# Altium PCB CarrierMotherboard.PcbDoc (part 2 of 6)
Units mm, origin at the board's own origin, x right, y up, seen from the top; angles counter-clockwise.
Board outline 152.4 x 101.6 mm, 8 copper layers (L1-CU, GND, L3-CU-PWR, L4-CU, L5-CU-GND, L6-CU, L7-CU-GND, L8-CU), stack 1.524 mm thick; 270 components, 270 nets, 1285 pads, 799 vias.
Unrouted connection lines stored in the file: 236.
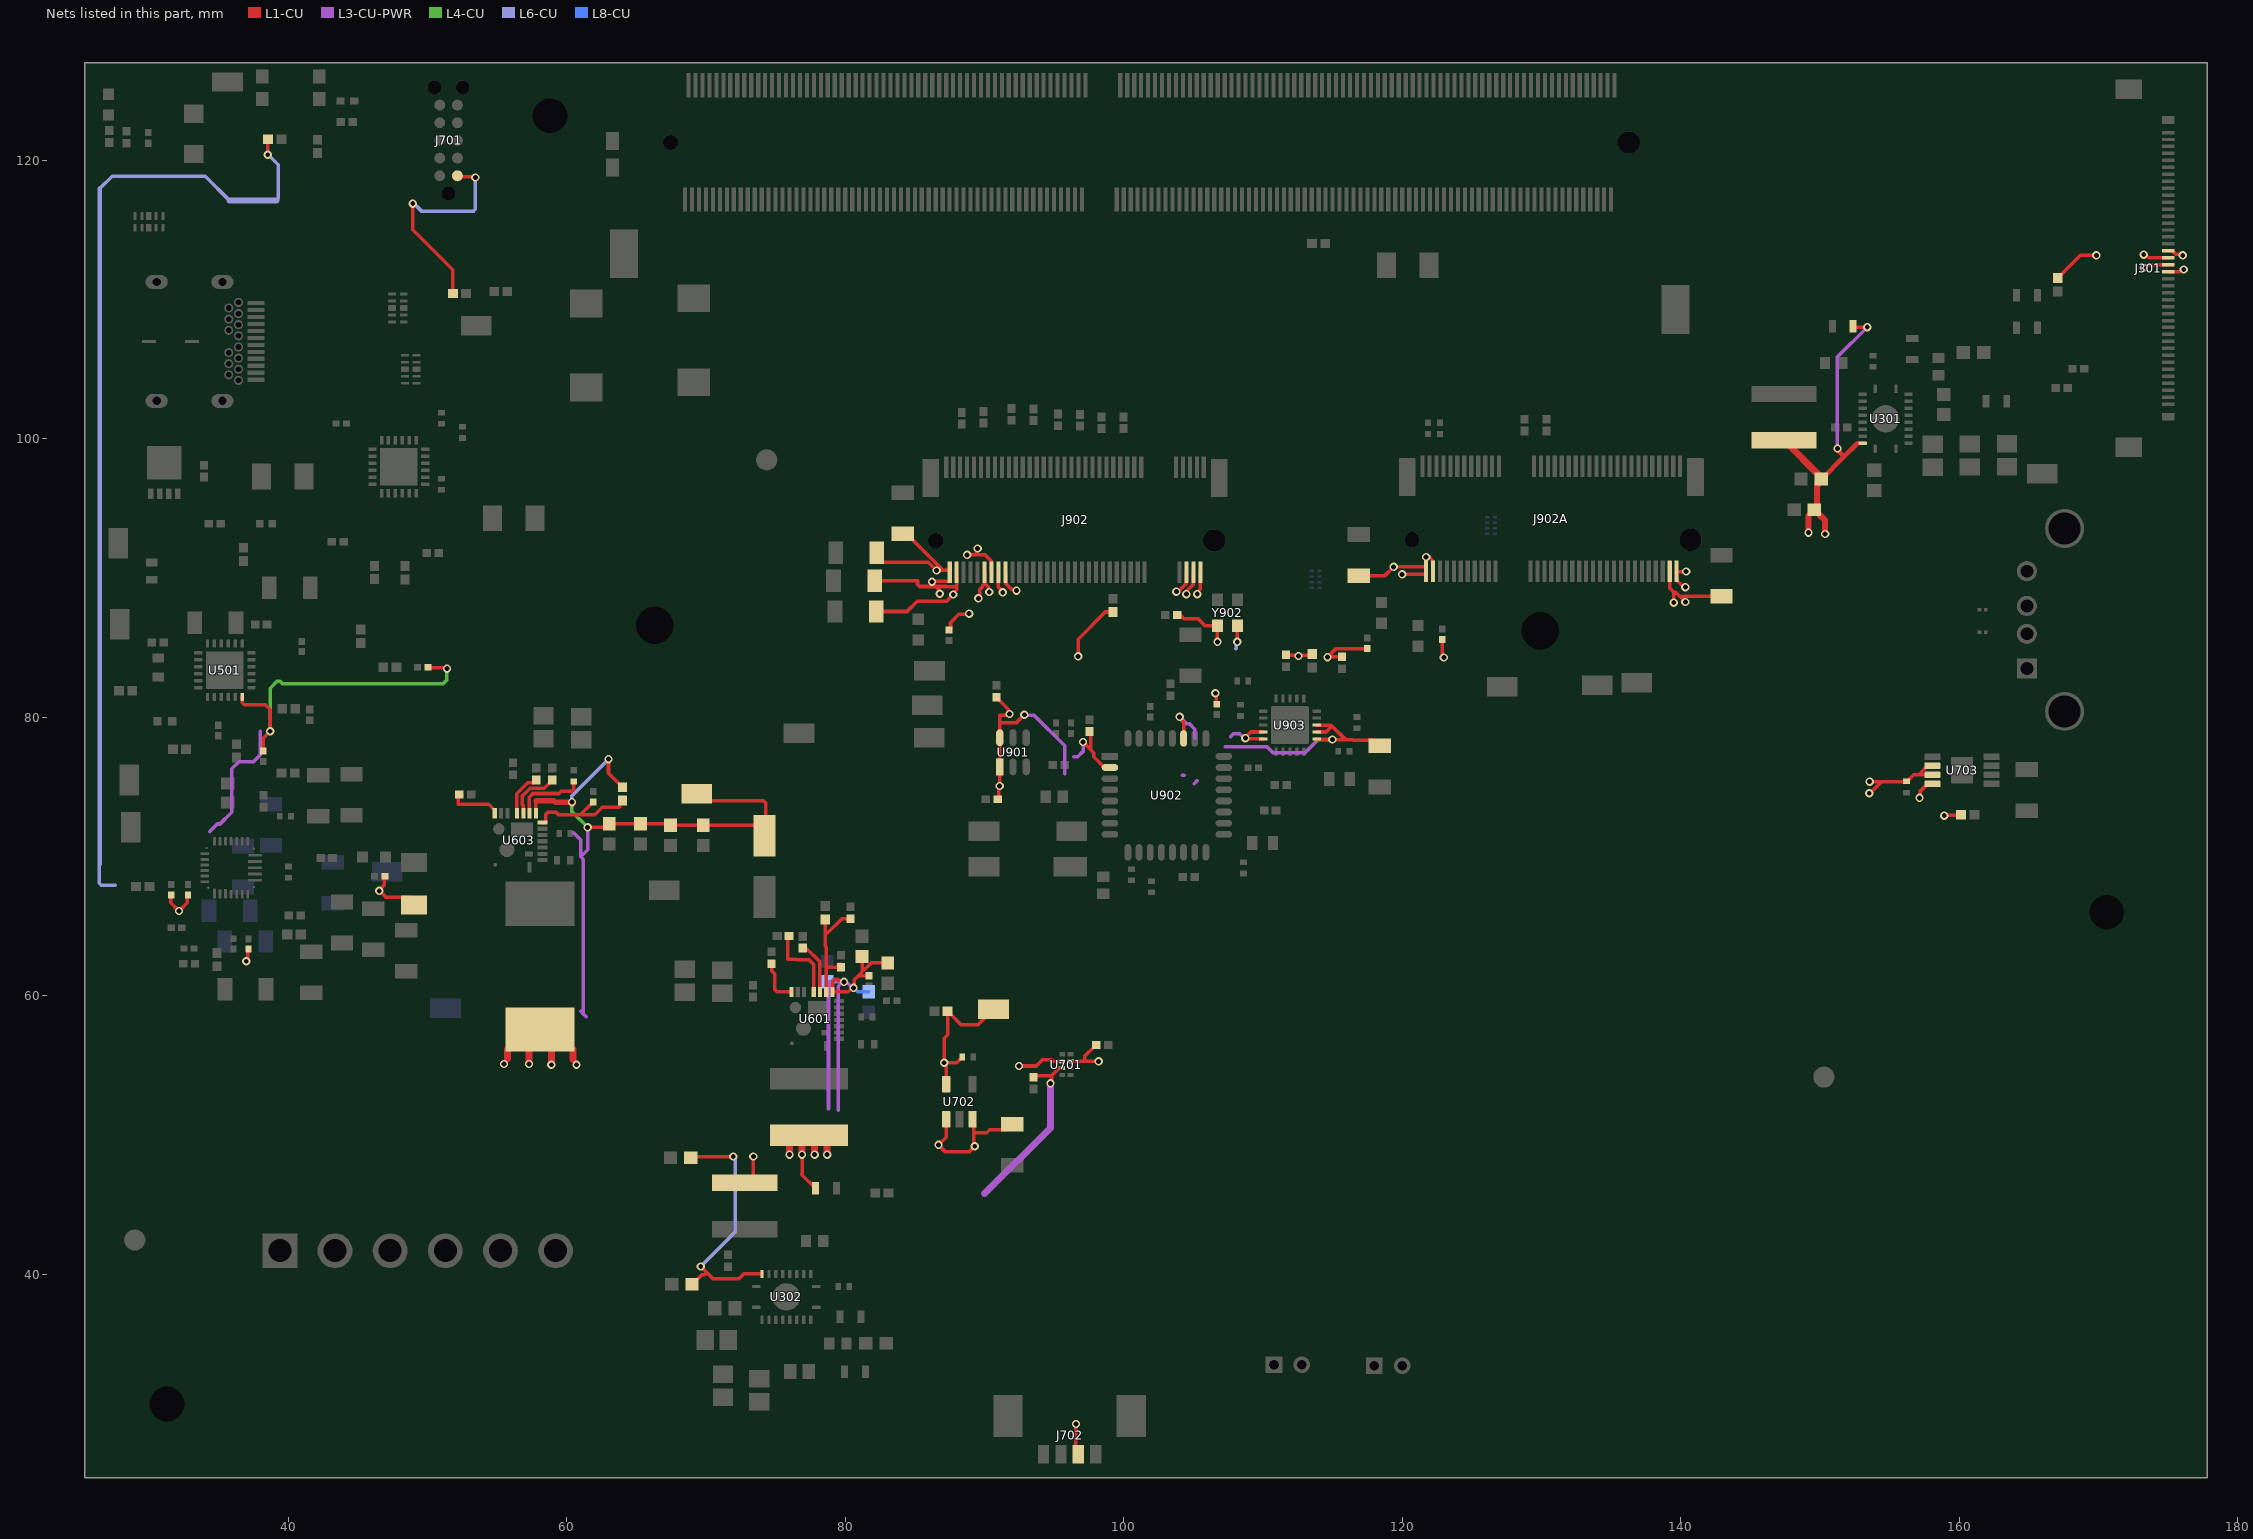
[diagram p8: the nets of this part, all layers, seen from the top]

## Footprints (in the part's own frame and the unit in brackets; to place one, negate y for a bottom-side part, rotate by r counter-clockwise, add the part's x,y. Pads: shape width x height; smd on the part's side, far side on the other; paste and mask are expansions set on the pad) (continued)
PSON50P100X195X50-8N [mm]
  rect 0.43x0.31 smd mask+0.1: 1(-0.29,0.75)
  rect 0.42x0.31 smd mask+0.1: 2(-0.295,0.25) 3(-0.295,-0.25) 4(-0.295,-0.75) 5(0.295,-0.75) 6(0.295,-0.25) 7(0.295,0.25) 8(0.295,0.75)
  silkscreen extent -1.1,0.65 0.53,1.22, body extent -0.5,-0.97 0.5,0.97, height 0.5
RESC1005X40X25LL05T05 [mm] "Chip Resistor, 2-Leads, Body 1.05x0.55mm, IPC High Density"
  rect 0.45x0.45 smd mask+0.1: 1(-0.4,0) 2(0.4,0)
  body extent -0.53,-0.28 0.53,0.28, height 0.4
RESC1005X40X25LL05T10#1 [mm] "Chip Resistor, 2-Leads, Body 1.00x0.50mm, IPC High Density"
  rect 0.5x0.45 smd mask+0.075: 1(-0.375,0) 2(0.375,0)
  body extent -0.53,-0.27 0.53,0.28, height 0.4
RESC1005X40X25LL05T10#2 [mm] "Chip Resistor, 2-Leads, Body 1.00x0.50mm, IPC High Density"
  rect 0.5x0.45 smd mask+0.055: 1(-0.375,0) 2(0.375,0)
  body extent -0.53,-0.27 0.53,0.28, height 0.4
RESC1005X40X25LL05T10#3 [mm] "Chip Resistor, 2-Leads, Body 1.00x0.50mm, IPC High Density"
  rect 0.5x0.45 smd mask+0.065: 1(-0.375,0) 2(0.375,0)
  body extent -0.53,-0.27 0.53,0.28, height 0.4
RESC1005X40X25LL10T10 [mm] "Chip Resistor, 2-Leads, Body 1.00x0.50mm, IPC High Density"
  rect 0.55x0.5 smd mask+0.1: 1(-0.375,0) 2(0.375,0)
  body extent -0.55,-0.3 0.55,0.3, height 0.4
RESC1005X40X25ML05T10#1 [mm] "Chip Resistor, 2-Leads, Body 1.00x0.50mm, IPC Low Density"
  rect 0.7x0.65 smd mask+0.075: 1(-0.475,0) 2(0.475,0)
  body extent -0.53,-0.27 0.53,0.28, height 0.4
RESC1005X40X25ML05T10#2 [mm] "Chip Resistor, 2-Leads, Body 1.00x0.50mm, IPC Low Density"
  rect 0.7x0.65 smd mask+0.055: 1(-0.475,0) 2(0.475,0)
  body extent -0.53,-0.27 0.53,0.28, height 0.4
RESC1005X40X25ML05T10#3 [mm] "Chip Resistor, 2-Leads, Body 1.00x0.50mm, IPC Low Density"
  rect 0.7x0.65 smd mask+0.065: 1(-0.475,0) 2(0.475,0)
  body extent -0.53,-0.27 0.53,0.28, height 0.4
RESC1005X40X25NL05T05 [mm] "Chip Resistor, 2-Leads, Body 1.00x0.50mm, IPC Medium Density"
  rect 0.55x0.55 smd mask+0.1: 1(-0.45,0) 2(0.45,0)
  body extent -0.53,-0.27 0.53,0.28, height 0.4
RESC1005X40X25NL05T10#1 [mm] "Chip Resistor, 2-Leads, Body 1.00x0.50mm, IPC Medium Density"
  rect 0.6x0.55 smd mask+0.055: 1(-0.425,0) 2(0.425,0)
  body extent -0.53,-0.27 0.53,0.28, height 0.4
RESC1005X40X25NL05T10#2 [mm] "Chip Resistor, 2-Leads, Body 1.00x0.50mm, IPC Medium Density"
  rect 0.6x0.55 smd mask+0.075: 1(-0.425,0) 2(0.425,0)
  body extent -0.53,-0.27 0.53,0.28, height 0.4
RESC1005X40X25NL05T10#3 [mm] "Chip Resistor, 2-Leads, Body 1.00x0.50mm, IPC Medium Density"
  rect 0.6x0.55 smd mask+0.065: 1(-0.425,0) 2(0.425,0)
  body extent -0.53,-0.27 0.53,0.28, height 0.4
RESC1005X40X25NL10T10 [mm] "Chip Resistor, 2-Leads, Body 1.00x0.50mm, IPC Medium Density"
  rect 0.65x0.6 smd mask+0.1: 1(-0.425,0) 2(0.425,0)
  body extent -0.55,-0.3 0.55,0.3, height 0.4
RESC1609X50X30ML10T20 [mm] "Chip Resistor, 2-Leads, Body 1.55x0.85mm, IPC Low Density"
  rect 0.9x1.05 smd: 1(-0.675,0) 2(0.675,0)
  body extent -0.82,-0.48 0.82,0.48, height 0.5
RESC3216X60X45ML15T20 [mm] "Chip Resistor, 2-Leads, Body 3.3x1.75mm, IPC Low Density"
  rect 1.35x1.85 smd mask+0.1: 1(-1.525,0) 2(1.525,0)
  silkscreen extent -0.45,-0.82 0.45,0.82, body extent -1.65,-0.87 1.65,0.87, height 0.6
RTJ0020D_V [mm] "QFN, 20-Leads, Body 4x4mm, Pitch 0.5mm, Thermal Pad 2.7x2.7mm, TI Recommended"
  rrect42% 0.6x0.24 smd mask+0.075: 1(-1.925,1) 2(-1.925,0.5) 3(-1.925,0) 4(-1.925,-0.5) 5(-1.925,-1) 11(1.925,-1) 12(1.925,-0.5) 13(1.925,0) 14(1.925,0.5) 15(1.925,1)
  rrect42% 0.24x0.6 smd mask+0.075: 6(-1,-1.925) 7(-0.5,-1.925) 8(0,-1.925) 9(0.5,-1.925) 10(1,-1.925) 16(1,1.9) 17(0.5,1.9) 18(0,1.9) 19(-0.5,1.9) 20(-1,1.9)
  rrect4% 2.7x2.7 smd paste-1.4 mask+0.075: 21(0,0)
  silkscreen extent -2.2,1.52 2.17,2.18, body extent -2.07,-2.07 2.08,2.08, height 0.8
SOT95P280X145-5N [mm]
  rrect25% 1.21x0.59 smd mask+0.1: 1(-1.255,0.95) 2(-1.255,0) 3(-1.255,-0.95) 4(1.255,-0.95) 5(1.255,0.95)
  silkscreen extent -2.6,-1.45 0.33,1.45, body extent -1.4,-1.45 1.4,1.45, height 1.45
SW_KMR211NGLFS [mm]
  rect 0.9x1 smd mask+0.1: 1(-2.05,0.8) 2(2.05,0.8) 3(-2.05,-0.8) 4(2.05,-0.8)
  silkscreen extent -1.25,-1.4 1.25,1.4, body extent -2.3,-1.4 2.3,1.4, height 1.9
TAG-CONNECT_TC2050-IDC-NL [mm]
  round 0.787 smd paste-1 mask+0.1: 1(0,0) 2(0,-1.27) 3(0,-2.54) 4(0,-3.81) 5(0,-5.08) 6(1.27,-5.08) 7(1.27,-3.81) 8(1.27,-2.54) 9(1.27,-1.27) 10(1.27,0)
  round 0.991 hole 0.991 unplated mask+0.1: ""(-0.38,-6.35) ""(0.635,1.27) ""(1.65,-6.35)
  Keep-Out Layer region: 1.27,-5.08 0,-5.08 0,0 1.27,0
  Keep-Out Layer region: 1.27,-5.08 0,-5.08 0,0 1.27,0
  silkscreen extent -3.46,-7.89 4,3.68, body extent -9.53,-7.62 6.22,7.62, height 198.41
TE-292303-1_V [mm] "THD, 4-Leads, Body 13.13x14mm, Pitch 2.5mm"
  rect 1.45x1.45 hole 0.92 mask+0.1: 1(-3.5,1.144)
  round 1.45 hole 0.92 mask+0.1: 2(-1,1.144) 3(1,1.144) 4(3.5,1.144)
  round 2.8 hole 2.3 mask+0.1: 5(-6.57,-1.566) 6(6.57,-1.566)
  silkscreen extent -6.57,-11.55 6.57,3.25, body extent -8.12,-11.85 8.12,2.15, height 7.72
TE_21992304 [mm]
  rrect15% 0.3x1.55 smd mask+0.1: 1(-9.25,5.275) 2(-9,-2.275) 3(-8.75,5.275) 4(-8.5,-2.275) 5(-8.25,5.275) 6(-8,-2.275) 7(-7.75,5.275) 8(-7.5,-2.275) 9(-7.25,5.275) 10(-7,-2.275) 11(-6.75,5.275) 12(-6.5,-2.275) 13(-6.25,5.275) 14(-6,-2.275) 15(-5.75,5.275) 16(-5.5,-2.275) 17(-5.25,5.275) 18(-5,-2.275) 19(-4.75,5.275) 20(-4.5,-2.275) 21(-4.25,5.275) 22(-4,-2.275) 23(-3.75,5.275) 32(-1.5,-2.275) 33(-1.25,5.275) 34(-1,-2.275) 35(-0.75,5.275) 36(-0.5,-2.275) 37(-0.25,5.275) 38(0,-2.275) 39(0.25,5.275) 40(0.5,-2.275) 41(0.75,5.275) 42(1,-2.275) 43(1.25,5.275) 44(1.5,-2.275) 45(1.75,5.275) 46(2,-2.275) 47(2.25,5.275) 48(2.5,-2.275) 49(2.75,5.275) 50(3,-2.275) 51(3.25,5.275) 52(3.5,-2.275) 53(3.75,5.275) 54(4,-2.275) 55(4.25,5.275) 56(4.5,-2.275) 57(4.75,5.275) 58(5,-2.275) 59(5.25,5.275) 60(5.5,-2.275) 61(5.75,5.275) 62(6,-2.275) 63(6.25,5.275) 64(6.5,-2.275) 65(6.75,5.275) 66(7,-2.275) 67(7.25,5.275) 68(7.5,-2.275) 69(7.75,5.275) 70(8,-2.275) 71(8.25,5.275) 72(8.5,-2.275) 73(8.75,5.275) 74(9,-2.275) 75(9.25,5.275)
  rrect15% 1.2x2.75 smd mask+0.1: S1(-10.35,4.5) S2(10.35,4.5)
  round 1.1 hole 1.1 unplated mask+0.1: ""(-10,0)
  round 1.6 hole 1.6 unplated mask+0.1: ""(10,0)
  silkscreen extent -10.95,-2.5 10.95,7.15, body extent -10.95,-4.85 10.95,3.85, height 4.2
TRANS_STL6P3LLH6 [mm]
  rect 0.75x0.4 smd mask+0.075: 1(-1.525,0.975) 2(-1.525,0.325) 3(-1.525,-0.325) 4(-1.525,-0.975)
  rect 2.4x2.45 smd paste-2 mask+0: 5_8(0.7,0)
  L1-CU region: 0.2,1.225 1.9,1.225 1.9,-1.225 0.2,-1.225 0.2,-1.755 -0.2,-1.755 -0.2,-1.225 -0.5,-1.225 -0.5,1.225 -0.2,1.225 -0.2,1.755 0.2,1.755
  silkscreen extent -2.6,-1.58 1.5,1.58, body extent -1.65,-1.65 1.65,1.65, height 0.9

## Part data
C1 C2: library part CMP-03016-000026-1, "CAP TANT POLY 100UF 25V 2917", Case Code (Imperial)=2917, Case Code (Metric)=7343, ESR (Equivalent Series Resistance)=40mR, Max Operating Temperature=105°C, Min Operating Temperature=-55°C, Tolerance=20%, Voltage Rating=25V, Capacitance=100uF, Case/Package=2917, Features="General Purpose", Height - Seated (Max)=0.122inch, Length=0.287inch, Mount="Surface Mount", Packaging="Cut Tape", REACH SVHC="No SVHC", Series="KO-CAP® T521", Voltage Rating (DC)=25V, Width=0.169inch
C101 C404 C603 C604 C607 C610 C623 C706 C707: library part CMP-2008-04639-2, "Chip Multilayer Ceramic Capacitors for General Purpose, 0402, 0.10uF, X7R, 15%, 10%, 50V", Case Code (Imperial)=0402, Case Code (Metric)=1005, Dielectric=X7R, Dielectric Material=Ceramic, Max Operating Temperature=125°C, Min Operating Temperature=-55°C, Package Quantity=10000, Tolerance=10%, Voltage=50V, Capacitance=100nF, Case/Package=0402, Depth=0.5mm, Dissipation Factor=0.025%, Height=0.5mm, Lead Free="Lead Free", Length=1mm, Material=Ceramic, Mount="Surface Mount", Packaging="Tape and Reel", REACH SVHC="No SVHC", Resistor Type=Ceramic, Termination=SMD/SMT, Thickness=0.022inch, Voltage Rating=50V, Voltage Rating (DC)=50V, Weight=0.000212oz, Width=0.5mm
C102 C103 C106 C107 C108 C109 C110 C111 C112 C113: library part CMP-08246-005722-1, "Multilayer Ceramic Capacitors 220nF ±10% 16V X7R SMD 0402", Capacitance=220nF, Case Code (Imperial)=0402, Case Code (Metric)=1005, Dielectric=X7R, Dielectric Material=Ceramic, Max Operating Temperature=125°C, Min Operating Temperature=-55°C, Package Quantity=1, Tolerance=10%, Voltage=16V, Case/Package=0402, Construction=Flat, Depth=0.5mm, Dissipation Factor=10%, Height=0.5mm, Lead Free="Lead Free", Length=1mm, Mount="Surface Mount", Packaging="Tape and Reel", Radiation Hardening=No, REACH SVHC="No SVHC", Resistor Type=Ceramic, RoHS Compliant=Yes, Series=C, Termination=SMD/SMT, Thickness=0.022inch, Voltage Rating=16V, Voltage Rating (DC)=16V, Weight=2.3E-05oz, Width=0.02inch
C104 C105 C114 C115 C116 C117 C501 C505 C507 C509 C516 C517 C518 C519 C520 C521 C522 C523 C524 C525 C708 C711 C901 C920: library part CMP-06035-005515-1, "Chip Multilayer Ceramic Capacitors for General Purpose, 1206, 10uF, X7R, 15%, 10%, 25V", Capacitance=10uF, Case/Package=1206, Dielectric=X7R, Max Operating Temperature=125°C, Min Operating Temperature=-55°C, Tolerance=10%, Voltage=25V, Lead Free="Lead Free", Length=0.126inch, Mount="Surface Mount", Packaging="Tape and Reel", Thickness=0.071inch, Voltage Rating=25V, Voltage Rating (DC)=25V, Width=0.063inch
C301 C302 C311 C616 C618 C619 C621 C626 C628 C630 C632: library part CMP-13271-002755-1, "Cap Ceramic 22uF 16V X5R ±20% Pad SMD 0603 +85°C T/R", Capacitance=22uF, Case Code (Imperial)=0603, Case Code (Metric)=1608, Max Operating Temperature=85°C, Min Operating Temperature=-55°C, Tolerance=20%, Voltage Rating=16V, Case/Package=0603, Mount="Surface Mount", Packaging="Tape and Reel"
C303 C312 C502 C503 C510 C514 C515 C703 C902 C903 C905 C906 C907 C908 C909 C910: library part CMP-06035-003750-1, "Chip Multilayer Ceramic Capacitors for General Purpose, 0402, 0.10uF, X7R, 15%, 10%, 50V", Capacitance=100nF, Case Code (Imperial)=0402, Case Code (Metric)=1005, Dielectric=X7R, Max Operating Temperature=125°C, Min Operating Temperature=-55°C, Package Quantity=50000, Resistor Type=Ceramic, Tolerance=10%, Voltage Rating=50V, Case/Package=0402, Height=0.5mm, Lead Free="Lead Free", Length=0.039inch, Mount="Surface Mount", Packaging="Tape and Reel", Termination=SMD/SMT, Thickness=0.022inch, Voltage Rating (DC)=50V, Weight=0.000212oz, Width=0.5mm
C304 C313 C401 C402 C403 C606 C611 C709 C710 C904 C911 C912 C918 C919: library part CMP-2008-04556-2, "CAP CER 1UF 10V X5R 0402", Capacitance=1uF, Manufacturer=Murata, Manufacturer Part Number=GRM155R61A105KE15D, Package=GRM15-0.1, Temperature="-55°C to +85°C", Temperature Characteristic=X5R, Temperature Coefficient=15%, Temperature Range High=+85°C, Temperature Range Low=-55°C, Tolerance=10%, Voltage Rating=10V, Automotive=No, Category=Cap, ComponentLink2Description=Datasheet, ComponentLink2URL=https://search.murata.co.jp/Ceramy/image/img/A01X/G101/ENG/GRM155R61A105KE15-01A.pdf, Device Class L1="Passive Components", Device Class L2=Capacitors, Device Class L3="Ceramic Capacitors", Digikey Description="CAP CER 1UF 10V X5R 0402", Height=0.55mm, Ipc Land Pattern Name=CAPC10050X50, Lead Free=Yes, Material=Ceramic, Mouser Description="0402 1 uF 10 V ±10% Tolerance X5R Surface Mount Multilayer Ceramic Capacitor", Octopart=https://octopart.com/grm155r61a105ke15d-murata-197442, RoHS=TRUE
C305 C314: library part CMP-2006-02910-1, Manufacturer=Murata, Part Number=GRM188R71H223KA01D
C306 C318: library part CMP-06035-027218-1, "Chip Multilayer Ceramic Capacitors for General Purpose, 0603, 3900pF, C0G, 30ppm/°C, 5%, 50V", Capacitance=3.9nF, Case Code (Imperial)=0603, Case Code (Metric)=1608, Dielectric=C0G, Max Operating Temperature=125°C, Min Operating Temperature=-55°C, Package Quantity=10000, Tolerance=5%, Voltage=50V, Case/Package=0603, Height=0.8mm, Length=0.063inch, Mount="Surface Mount", Packaging="Tape and Reel", Termination=SMD/SMT, Thickness=0.035inch, Voltage Rating=50V, Voltage Rating (DC)=50V, Weight=0.000222oz, Width=0.8mm
C307 C308 C309 C315 C316 C317 C601 C602 C608 C609: library part CMP-2007-03222-3, "Chip Multilayer Ceramic Capacitors for General Purpose, 0805, 22uF, X5R, 15%, 20%, 25V", Capacitance=22uF, Case Code (Imperial)=0805, Case Code (Metric)=2012, Dielectric=X5R, Max Operating Temperature=85°C, Min Operating Temperature=-55°C, Package Quantity=3000, Resistor Type=Ceramic, Tolerance=20%, Voltage=25V, Case/Package=0805, Depth=1.25mm, Height=1.25mm, Lead Free="Lead Free", Length=2mm, Material=Ceramic, Mount="Surface Mount", Packaging="Tape and Reel", REACH SVHC="No SVHC", Termination=SMD/SMT, Thickness=0.057inch, Voltage Rating=25V, Voltage Rating (DC)=25V, Weight=0.000335oz, Width=1.25mm
C310: library part CMP-00001-1, "Memory Card Connector, DDR4, SODIMM, Cam-In Locking, 260 Contacts, Copper Alloy", Capacitance=22uF, Case Code (Imperial)=0603, Case Code (Metric)=1608, Max Operating Temperature=85°C, Min Operating Temperature=-55°C, Tolerance=20%, Voltage Rating=16V, Case/Package=0603, Mount="Surface Mount", Packaging="Tape and Reel"
C405: library part CMP-06035-003982-1, "Chip Multilayer Ceramic Capacitors for General Purpose, 0402, 0.10uF, X5R, 15%, 10%, 50V", Capacitance=100nF, Case Code (Imperial)=0402, Case Code (Metric)=1005, Dielectric=X5R, Dielectric Material=Ceramic, Max Operating Temperature=85°C, Min Operating Temperature=-55°C, Package Quantity=10000, Tolerance=10%, Voltage=50V, Case/Package=0402, Depth=0.5mm, Dissipation Factor=0.025%, Height=0.5mm, Lead Free="Lead Free", Length=1mm, Mount="Surface Mount", Packaging="Tape and Reel", REACH SVHC="No SVHC", Resistor Type=Ceramic, Termination=SMD/SMT, Thickness=0.022inch, Voltage Rating=50V, Voltage Rating (DC)=50V, Weight=0.000212oz, Width=0.02inch
C406: library part CMP-06035-026280-1, "Chip Multilayer Ceramic Capacitors for General Purpose, 0402, 1.0uF, X5R, 15%, 10%, 25V", Capacitance=1uF, Dielectric=X5R, Tolerance=10%, Voltage Rating (DC)=25V, Length=1mm, Thickness=500um, Width=500um
C504: library part CMP-06035-003995-1, "Chip Multilayer Ceramic Capacitors for General Purpose, 0402, 0.10uF, X7R, 15%, 10%, 25V", Case Code (Imperial)=0402, Case Code (Metric)=1005, Dielectric=X7R, Max Operating Temperature=125°C, Min Operating Temperature=-55°C, Package Quantity=50000, Resistor Type=Ceramic, Tolerance=10%, Voltage Rating=25V, Capacitance=100nF, Case/Package=0402, Height=0.5mm, Length=0.039inch, Mount="Surface Mount", Packaging="Tape and Reel", Termination=SMD/SMT, Thickness=0.022inch, Voltage Rating (DC)=25V, Weight=0.000212oz, Width=0.5mm
C506: library part CMP-2008-04609-1, Manufacturer=Murata, Part Number=GRM155R71C472KA01D
C508: library part CMP-2006-02810-1, Manufacturer=Murata, Part Number=GRM188R61A475KE15D
C511 C512: library part CMP-06035-009452-1, "Chip Multilayer Ceramic Capacitors for General Purpose, 0402, 47000pF, X7R, 15%, 10%, 50V", Case Code (Imperial)=0402, Case Code (Metric)=1005, Dielectric=X7R, Max Operating Temperature=125°C, Min Operating Temperature=-55°C, Package Quantity=10000, Resistor Type=Ceramic, Tolerance=10%, Voltage Rating=50V, Capacitance=47nF, Case/Package=0402, Height=0.5mm, Length=0.039inch, Mount="Surface Mount", Packaging="Tape and Reel", Termination=SMD/SMT, Thickness=0.022inch, Voltage Rating (DC)=50V, Weight=0.000212oz, Width=0.02inch
C513: library part CMP-1662-00017-1, "Chip Capacitor, 1 nF, +/- 10%, 50 V, -55 to 125 degC, 0402 (1005 Metric), RoHS, Tape and Reel", Capacitance="1 nF", Case Code (Imperial)=0402, Case Code (Metric)=1005, Max Operating Temperature="125 degC", Min Operating Temperature="-55 degC", Package Quantity=10000, Tolerance=10%, Type (Capacitors)=X7R, Voltage Rating="50 V", Case\/Package=0402, ComponentLink1Description="Manufacturer URL", ComponentLink1URL=http://www.murata.com/, ComponentLink2Description=Datasheet, ComponentLink2URL=http://psearch.en.murata.com/capacitor/product/GRM155R71H102KA01%23.pdf, DatasheetVersion=07/2016, Height="0.5 mm", Length="1 mm", Mount="Surface Mount", Mounting Technology="Surface Mount", PackageDescription="2-Pin Surface Mount Device, Body 1 x 0.5 mm", PackageReference=0402, Packaging="Tape and Reel", Pins=2, Radiation Hardening=No, REACH SVHC="No SVHC", RoHSCompliant=true, Voltage Rating (DC)="50 V", Width="0.5 mm"
C605 C620: library part CMP-06035-063317-1, "Chip Multilayer Ceramic Capacitors for General Purpose 0402 Package 0.7mm 4.7uF @ 20% 25Vdc X5S @ 22%"
C633: library part CMP-05428-000099-1, "Conductive Polymer Aluminum Solid Capacitors (OS-CON) 100uF ±20% 6.3V", Capacitance=100uF, Case/Package=Radial, ESR (Equivalent Series Resistance)=30mR, Leakage Current=300uA, Max Operating Temperature=105°C, Min Operating Temperature=-55°C, Package Quantity=1500, Ripple Current=1.97A, Tolerance=20%, Voltage=6.3V, Construction=Cylindrical, Diameter=5mm, Dissipation Factor=12%, Height=5.9mm, Height - Seated (Max)=0.236inch, Lead Free="Lead Free", Length=5.9mm, Life (Hours)=2000Hour, Mount="Surface Mount", Number of Pins=6, Packaging="Tape and Reel", Polarity=Polar, REACH SVHC="No SVHC", Ripple Current (AC)=1.97A, RoHS Compliant=Yes, Series="OS-CON™, SVPC", Termination=SMD/SMT, Voltage Rating=6.3V, Voltage Rating (DC)=6.3V
D101 D102 D103: library part CMP-22017-000005-2, "LED GREEN CLEAR CHIP SMD", Case Code (Imperial)=0603, Case Code (Metric)=1608, Forward Current=30mA, Forward Voltage=2.1V, Lens Color=Colorless, Max Operating Temperature=85°C, Min Operating Temperature=-55°C, Package Quantity=1, Power Dissipation=100mW, Reverse Voltage=5V, Test Current=10mA, Voltage=2V, Case/Package=0603, Color=Green, Depth=0.8mm, Dominant Wavelength=569nm, Height=0.8mm, Illumination Color=Green, Lead Free="Lead Free", Length=1.6mm, Lens Style=Clear, Lens Transparency=Clear, Luminous Intensity=6mcd, Mount="Surface Mount", Number of Elements=1, Number of LEDs=1, Number of Pins=2, Packaging="Tape and Reel", Power Rating=100mW, Radiation Hardening=No, Viewing Angle=130°, Wavelength=565nm, Width=0.8mm
D401: library part CMP-12225-000030-1, "TVS DIODE 22V 41V 1610", Breakdown Voltage=23.3V, Clamping Voltage=39V, Manufacturer=STMicroelectronics, Max Junction Temp=+150°C, Package=QFN_1610, Peak Pulse Current=35A, Peak Pulse Power=1400W, Reverse Standoff Voltage=22V, Temperature="-55°C to +150°C", Temperature Range Low=-55°C, Automotive=No, Category=Diode, ComponentLink2Description=Datasheet, ComponentLink2URL=https://www.st.com/resource/en/datasheet/esda25p35-1u1m.pdf, Device Class L1="Circuit Protection", Device Class L2="TVS Diodes", Device Class L3=unset, Digikey Description="TVS DIODE 22V 41V 1610", Direction=Unidirectional, Height=0.6mm, Lead Free=Yes, Manufacturer Part Number=ESDA25P35-1U1M, Mouser Description="ESDA Series 1400 W 25 V Uni-Directional Surface Mount TVS Diode - QFN-1610", Number of Channels=1, Octopart=https://octopart.com/esda25p35-1u1m-stmicroelectronics-75302699, RoHS=TRUE, Standoff Height=0.02mm, Temperature Range High=+150°C
D402: library part CMP-08607-000108-1, "TVS DIODE 24V 38.9V SOD123F", Breakdown Voltage=29.5V, Clamping Voltage=38.9V, Leakage Current=1uA, Max Operating Temperature=150°C, Max Surge Current=5.1A, Min Breakdown Voltage=26.7V, Min Operating Temperature=-55°C, Peak Pulse Power=200W, Power Line Protection=No, Reverse Standoff Voltage=24V, Test Current=1mA, Composition=Zener, Lead Free="Lead Free", Max Breakdown Voltage=29.5V, Mount="Surface Mount", Number of Channels=1, Number of Elements=1, Number of Pins=2, Number of Unidirectional Channels=1, Packaging="Tape and Reel", Peak Pulse Current=5.1A, Polarity=Unidirectional, Reverse Breakdown Voltage=26.7V, Termination=SMD/SMT
D403: library part CMP-22017-000005-2, "LED GREEN CLEAR CHIP SMD", Case Code (Imperial)=0603, Case Code (Metric)=1608, Color=Green, Forward Current=30mA, Forward Voltage=2.1V, Lens Color=Colorless, Max Operating Temperature=85°C, Min Operating Temperature=-55°C, Package Quantity=1, Power Dissipation=100mW, Reverse Voltage=5V, Test Current=10mA, Voltage=2V, Case/Package=0603, Depth=0.8mm, Dominant Wavelength=569nm, Height=0.8mm, Illumination Color=Green, Lead Free="Lead Free", Length=1.6mm, Lens Style=Clear, Lens Transparency=Clear, Luminous Intensity=6mcd, Mount="Surface Mount", Number of Elements=1, Number of LEDs=1, Number of Pins=2, Packaging="Tape and Reel", Power Rating=100mW, Radiation Hardening=No, Viewing Angle=130°, Wavelength=565nm, Width=0.8mm
D501: library part CMP-08952-000005-1, "LED YLW/GREEN DIFFUSED 1608 SMD", Colour=Green, Forward Current=20mA, Forward Voltage=2.2V, Manufacturer=Rohm, Manufacturer Part Number=SML-D12M1WT86, Package=SML-D12, Power Dissipation=54mW, Reverse Voltage=5V, Temperature="-40°C to +85°C", Temperature Range High=+85°C, Temperature Range Low=-40°C, Automotive=No, Category=Diode, ComponentLink2Description=Datasheet, ComponentLink2URL=https://www.rohm.com/datasheet/SML-D12M1W, Device Class L1=Optoelectronics, Device Class L2=LEDs, Device Class L3=unset, Digikey Description="LED YLW/GREEN DIFFUSED 1608 SMD", Height=0.65mm, Lead Free=Yes, Led Orientation="Top View", Luminous Intensity=30mcd, Octopart=https://octopart.com/sml-d12m1wt86-rohm-70837112, RoHS=TRUE, Wavelength=572nm
D701: library part CMP-04989-000020-1, "TVS DIODE 3.6V 19V 2X1SON", Case Code (Imperial)=0402, Case Code (Metric)=1006, Clamping Voltage=19V, Max Operating Temperature=125°C, Min Breakdown Voltage=6.7V, Min Operating Temperature=-40°C, Peak Pulse Current=1.7A, Peak Pulse Power=15W, Power Line Protection=No, Resistor Type=Zener, Reverse Standoff Voltage=3.6V, Case/Package=0402, Interface=USB, Mount="Surface Mount", Number of Bidirectional Channels=1, Number of Channels=1, Packaging="Cut Tape", RoHS Compliant=Yes
D703 D704: library part CMP-04989-000017-1, "TVS DIODE 3.6V 10.1V 2X2SON", Max Operating Temperature=125°C, Min Operating Temperature=-40°C, Interface=USB, Lead Free="Lead Free", Number of Channels=1, RoHS Compliant=Yes
J15: library part CMP-13271-002755-1, "Cap Ceramic 22uF 16V X5R ±20% Pad SMD 0603 +85°C T/R"
J202 TP2 TP3 TP4 TP5 TP6 TP7 TP8 TP9 TP500 TP501 TP502 TP503 TP504 TP505 TP603 TP700 TP701: library part CMP-15817-000010-1, "PC TEST POINT NATURAL", Color=Natural, Body Material=Brass, Material="Copper Alloy", Mount="Surface Mount", Packaging="Cut Tape", Plating=Tin
J300: library part CMP-15817-000010-1, "10V nominal", Color=Natural, Body Material=Brass, Material="Copper Alloy", Mount="Surface Mount", Packaging="Cut Tape", Plating=Tin
J301: library part CMP-002-00071-3, "Conn Wire to Board RCP 40 POS 0.5mm Solder RA Side Entry SMDCABLINE® T/R", Contact Gender=Female, Pins=40
J401: library part CMP-002-00072-1, "Conn USB 3.1 Type C RCP 24 POS 0.5mm/0.4mm Solder RA SMD/Thru-Hole 24 Terminal 1 Port T/R", Max Operating Temperature=105°C, Min Operating Temperature=-40°C, Voltage Rating=20V, Connector Type=USB, Gender=Receptacle, Mounting Technology="Surface Mount, Through Hole", Pins=24
J501: library part CMP-17439-000282-2, "CONN HEADER R/A 6POS 3.96MM", Color=Natural, Contact Resistance=20mR, Current Rating=10A, Flammability Rating="UL94 V-0", Housing Color=White, Max Operating Temperature=85°C, Max Voltage Rating (AC)=250V, Min Operating Temperature=-25°C, Connector Type=Header, Contact Finish - Mating=TIN, Contact Material=Brass, Contact Mating Length=0.303inch, Contact Plating=Copper, Contact Shape=Square, Contact Type="Male Pin", Depth=14.9mm, Fastening Type=Ramp, Gender=Male, Housing Material=Polyamide, Insulation Color=Natural, Insulation Material=Nylon, Lead Free="Lead Free", Length=23.7mm, Max Current Rating=10A, Mount="Through Hole", Number of Contacts=6, Number of Positions=6, Number of Rows=1, Orientation="Right Angle", Packaging=Bulk, Pitch=3.96mm, Series=VH, Termination=Solder, Voltage Rating=250V
J701: library part CMP-002-00074-1, "Adapter Cbl Plug Of Nails 10PIN"
J702: library part CMP-04776-000105-1, "CONN HEADER SMD 4POS 1.25MM", Ambient Temperature Range High=+105°C, Ambient Temperature Range Low=-40°C, Current Rating=1A, Manufacturer=Molex, Package=0, Temperature="-40°C to +105°C", Voltage Rating=125V, Automotive=No, Category=Conn, ComponentLink2Description=Datasheet, ComponentLink2URL=https://www.molex.com/pdm_docs/ps/PS-51021-024-001.pdf, Conn Gender=Male, Conn Orientation=Vertical, Contact Material=Tin, Device Class L1=Connectors, Device Class L2="Headers and Wire Housings", Device Class L3=unset, Digikey Description="CONN HEADER SMD 4POS 1.25MM", Footprint Url=https://www.molex.com/pdm_docs/sd/533980471_sd.pdf, Height=5.1mm, Lead Free=Yes, Manufacturer Part Number=533980471, Number of Contacts=4, Number of Rows=1, Octopart=https://octopart.com/53398-0471-molex-655296, Pitch=1.25mm, RoHS=TRUE, Standoff Height=0.05mm, Temperature Range High=+105°C, Temperature Range Low=-40°C
J703: library part CMP-2000-05404-1, "1 Port Right Angle Through Hole Mount Female Type A USB Connector, 4 Position, -55 to 85 degC, RoHS, Tube", Manufacturer="TE Connectivity", Package Description="4-Pin Through Hole Device, Body 14 x 13.13 mm, Pitch 2.5 mm", Connector Mounting=PCB, Connector Type=USBA, Contact Material=Copper, Contact Plating=Gold, Contact Termination Type=Solder, Datasheet URL=http://www.farnell.com/cad/1653030.pdf, Datasheet Version=Feb-12, Gender=Receptacle, Manufacturer URL=http://www.te.com/, No. of Contacts=4, Package Reference=292303-1, SVHC=NoSVHC(16-Jun-2014)
J902: library part CMP-002-00073-2, "Card Edge Connector, Dual Side, 67 Contacts, Surface Mount, Right Angle", Max Operating Temperature=80°C, Min Operating Temperature=-40°C, Voltage Rating=50V, Gender=Receptacle, Mounting Technology="Surface Mount", PartId=2, Pins=67
L301 L302: library part CMP-11268-000158-1, "Fixed Inductors 2.2uH Shld 20% 9.2A 14.5mOhms AECQ2 SRF: 38MHz Test Freq: 1MHz", Case/Package=SMD/SMT, DC Resistance (DCR)=14.5mR, Inductance=2.2uH, Inductance Tolerance=20%, Max DC Current=9.2A, Max Operating Temperature=125°C, Min Operating Temperature=-40°C, Package Quantity=400, RMS Current (Irms)=9.7A, Self Resonant Frequency=38MHz, Test Frequency=100kHz, Core Material=Composite, Height=3.1mm, Lead Free="Contains Lead", Length=5.68mm, Mount="Surface Mount", Packaging="Tape and Reel", RoHS Compliant=Yes, Saturation Current=9.2A, Series=XAL5030, Shielding=Shielded, Termination=SMD/SMT, Tolerance=20%, Width=5.48mm
L601: library part CMP-07248-000017-1, "FIXED IND 1UH 20A 4.52 MOHM SMD", Inductance=1uH, Manufacturer=Bourns, Manufacturer Part Number=SRP6050CA-1R0M, Package=SRP6050CA, Rms Current=20A, Saturation Current=23A, Self Resonant Frequency=50MHz, Series Resistance=4.52mΩ, Temperature="-55°C to +155°C", Temperature Range High=+155°C, Temperature Range Low=-55°C, Test Frequency=100kHz, Tolerance=20%, Automotive=Yes, Automotive Grade="Grade 0", Category=Ind, ComponentLink2Description=Datasheet, ComponentLink2URL=https://www.bourns.com/docs/Product-Datasheets/SRP6050CA.pdf, Composition=Wirewound, Core Material="Metal alloy powder", Device Class L1="Passive Components", Device Class L2=Inductors, Device Class L3="Fixed Inductors", Digikey Description="FIXED IND 1UH 20A 4.52 MOHM SMD", Height=5mm, Lead Free=Yes, Mouser Description="Inductor Power Shielded Wirewound 1uH 20% 100KHz Metal Alloy Powder 20A 4.52mOhm DCR T/R", Octopart=https://octopart.com/srp6050ca-1r0m-bourns-92222725, RoHS=TRUE, Shielding=true
L603: library part CMP-02424-000366-1, "Commercial Inductors, High Saturation Series 0.56uH 27.5A 1.8mΩ 20%", Case Code (Imperial)=4040, Current Rating=27.5A, DC Resistance (DCR)=1.8mR, Inductance=560nH, Inductance Tolerance=20%, Max DC Current=49A, Max Operating Temperature=125°C, Min Operating Temperature=-55°C, Package Quantity=500, Self Resonant Frequency=5MHz, Test Frequency=100kHz, Case/Package=4040, Contact Plating=Tin, Core Material=Metal, Depth=10.3mm, Height=4mm, Lead Free="Lead Free", Length=10.92mm, Military Standard=Not, Mount="Surface Mount", Number of Pins=2, Packaging="Tape and Reel", Radiation Hardening=No, RMS Current (Irms)=27.5A, Saturation Current=49A, Shielding=Shielded, Termination=SMD/SMT, Tolerance=20%, Weight=0.070548oz, Width=10.3mm
P801 P802: library part CMP-1755-00004-1, "Male Header, Pitch 2 mm, 1 x 2 Position, Height 4.8 mm, Tail Length 3.4 mm, -25 to 85 degC, RoHS, Bulk", Capacitance="10 uF", Case\Package=Radial, Max Operating Temperature="85 degC", Min Operating Temperature="-40 degC", Package Quantity=200, Tolerance=20%, Voltage Rating="50 V", ComponentLink1Description=Datasheet, ComponentLink1URL=http://www.jst-mfg.com/product/pdf/eng/ePH.pdf, DatasheetVersion=Dec-12, Diameter="5 mm", Height="11 mm", Lead Pitch="2 mm", Length="11 mm", Mount="Through Hole", PackageDescription="Male Header, Pitch 2 mm, 1 x 2 Position, Height 4.8 mm, Tail Length 3.4 mm", PackageReference=S2B-PH-K-S, Packaging=Bulk, Pins=2, Radiation Hardening=No, REACH SVHC="No SVHC", RoHSCompliant=true, Voltage Rating (DC)="50 V"